# KiCad board open_jip.kicad_pcb
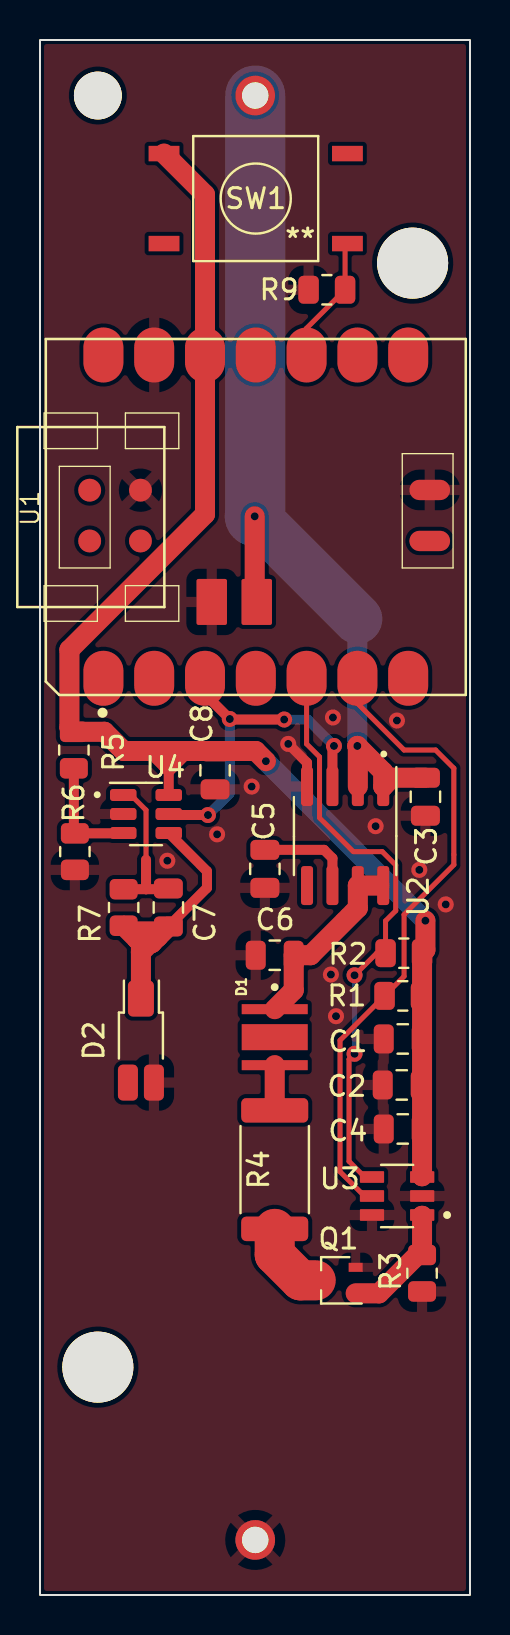
[diagram p0: board, top side]
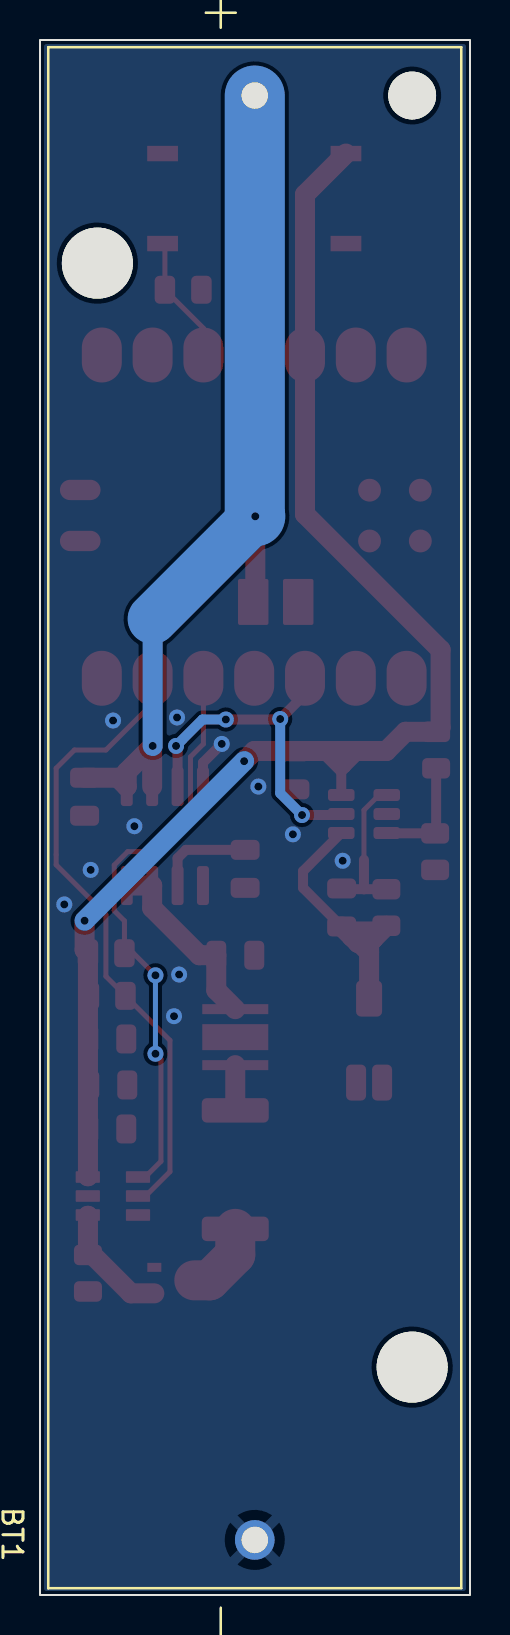
[diagram p1: board, bottom side, seen from below]

Outline 21.5 x 77.75 mm; copper layers: Top, Bottom. Coordinates in mm from the lower left corner of the outline.
Outline path: rectangle 0,77.75 21.5,0
Stack: Top 0.035mm / dielectric 1.51mm FR4 er 4.5 / Bottom 0.035mm

## Placement (name value [footprint] x y rotation side)
BT1  1043  [BAT_1043]  10.76 38.86 90 bottom
C1  10uF  [C_0805_2012Metric]  18.14 27.8 180 top
C2  1uF  [C_0805_2012Metric]  18.09 25.5 180 top
C3  4.7uF  [C_0805_2012Metric]  19.27 39.91 270 top
C4  0.1uF  [C_0805_2012Metric]  18.14 23.3 180 top
C5  0.01uF  [C_0805_2012Metric]  11.24 36.31 270 top
C6  1uF  [C_0805_2012Metric]  11.74 31.99 180 top
C7  0.1pF  [C_0805_2012Metric]  6.42 34.38 90 top
C8  0.1uF  [C_0805_2012Metric]  8.75 41.23 90 top
D1  XPEBRD-L1-0000-00901  [LED_XPEBRD-L1-0000-00901]  11.74 27.89 270 top
D2  SFH2400  [Osram_SMD-SmartDIL]  5.05 27.72 270 top
Q1  BSS214NW  [SOT-323_SC-70]  14.78 15.73 180 top
R1  4.7K  [R_0805_2012Metric]  18.14 29.96 180 top
R2  4.7K  [R_0805_2012Metric]  18.19 32.09 180 top
R3  1K  [R_0805_2012Metric]  19.1 16.09 270 top
R4  2  [R_2512_6332Metric]  11.74 21.27 270 top
R5  1M  [R_0805_2012Metric]  1.69 42.25 90 top
R6  33K  [R_0805_2012Metric]  1.74 37.17 90 top
R7  500K  [R_0805_2012Metric]  4.18 34.38 90 top
R9  1M  [R_0805_2012Metric]  14.34 65.26 180 top
SW1  -  [1977223-6]  10.79 69.82 180 top
U1  SeeeduinoXIAO  [Seeeduino XIAO-MOUDLE14P-2.54-21X17.8MM]  21.29 45 90 top
U2  MCP1727-3302xSN  [SOIC-8_3.9x4.9mm_P1.27mm]  15.26 37.95 270 top
U3  DAC5571IDBVR  [SOT95P280X145-6N]  17.85 19.95 180 top
U4  OPA355NA  [SOT-23-6]  5.3 39.05 0 top

## Library data of the parts
BT1 = -: MANUFACTURER: Keystone; MAXIMUM_PACKAGE_HEIGHT: 14.86mm; PARTREV: H; STANDARD: Manufacturer Recommendations
D1 = -: MANUFACTURER: CREE

## Footprints (pads in the part's own frame, mm; a bottom-side part is the same pattern mirrored in y, then rotated)
1977223-6
  rect 1.538x0.771 smd: 1(-4.585,2.25) 2(-4.585,-2.25) 3(4.585,-2.25) 4(4.585,2.25)
BAT_1043
  round 3.55 hole 3.55 unplated: (-27.47,-7.87) (27.73,7.87)
  round 2.39 hole 2.39 unplated: (36.11,-7.87)
  round 1.98 hole 1.32: N(-36.11,0) P(36.11,0)
C_0805_2012Metric
  rrect 1x1.45 smd: 1(-0.95,0) 2(0.95,0)
LED_XPEBRD-L1-0000-00901
  rect 0.5x3.3 smd: 1(-1.4,0) 2(1.4,0)
  rect 1.3x3.3 smd: 3(0,0)
Osram_SMD-SmartDIL
  rrect 1.8x1.3 smd: 1(-2.1,0)
  rrect 1.8x1 smd: 2(2.1,-0.65) 3(2.1,0.65)
R_0805_2012Metric
  rrect 1.025x1.4 smd: 1(-0.912,0) 2(0.912,0)
R_2512_6332Metric
  rrect 1.225x3.35 smd: 1(-2.962,0) 2(2.962,0)
Seeeduino XIAO-MOUDLE14P-2.54-21X17.8MM
  oval 2.748x1.999 smd: 1(0.833,18.118) 2(0.833,15.578) 3(0.833,13.038) 4(0.833,10.498) 5(0.833,7.958) 6(0.833,5.418) 7(0.833,2.878) 8(16.998,2.878) 9(16.998,5.418) 10(16.998,7.958) 11(16.998,10.498) 12(16.998,13.038) 13(16.998,15.578) 14(16.998,18.118)
  oval 1.016x2.032 smd: 15(7.7,1.8) 16(10.25,1.8)
  round 1.143 smd: 17(7.699,18.804) 18(10.239,18.804) 19(7.699,16.264) 20(10.239,16.264)
  rrect 2.3x1.524 smd: 21(4.65,12.7) 22(4.65,10.45)
SOIC-8_3.9x4.9mm_P1.27mm
  rrect 1.95x0.6 smd: 1(-2.475,1.905) 2(-2.475,0.635) 3(-2.475,-0.635) 4(-2.475,-1.905) 5(2.475,-1.905) 6(2.475,-0.635) 7(2.475,0.635) 8(2.475,1.905)
SOT95P280X145-6N
  rrect 1.21x0.58 smd: 1(-1.255,0.95) 2(-1.255,0) 3(-1.255,-0.95) 4(1.255,-0.95) 5(1.255,0) 6(1.255,0.95)
SOT-23-6
  rrect 1.325x0.6 smd: 1(-1.137,0.95) 2(-1.137,0) 3(-1.137,-0.95) 4(1.137,-0.95) 5(1.137,0) 6(1.137,0.95)
SOT-323_SC-70
  rect 0.7x0.45 smd: 1(-1,0.65) 2(-1,-0.65) 3(1,0)

## Nets
+3.3V: C1.1 C2.1 C4.1 C8.2 R1.1 R2.1 R5.2 SW1.3 U1.12 U3.3 U4.6
GND: BT1.N C1.2 C2.2 C3.2 C4.2 C5.2 C6.2 C8.1 D2.3 Q1.2 R3.2 R6.1 R9.2 U1.13 U1.16 U1.20 U1.21 U2.4 U3.2 U3.6 U4.2
VBUS: U1.14
D(out): U1.4
SCL: R1.2 U1.6 U3.5
SDA: R2.2 U1.5 U3.4
SHDN: U1.3 U2.3 U4.5
TRIG: R9.1 SW1.1 U1.10
Net-(BT1-PadP): BT1.P C3.1 U1.22 U2.1 U2.2
Net-(C5-Pad1): C5.1 U2.6
Net-(C6-Pad1): C6.1 D1.1 U2.7 U2.8
Net-(C7-Pad1): C7.1 D2.1 R7.1 U4.4
Net-(C7-Pad2): C7.2 R7.2 U4.1
Net-(D1-Pad2): D1.2 R4.1
Net-(Q1-Pad1): Q1.1 R3.1 U3.1
Net-(Q1-Pad3): Q1.3 R4.2
Net-(R5-Pad1): R5.1 R6.2 U4.3

Pads without a net: D1 3; D2 2; SW1 2 4; U1 1 2 7 8 9 11 15 17 18 19; U2 5

## Via types
v1: diameter 0.8, hole 0.4, Top to Bottom, 21 vias

## Routing (per net, layer and track width the routed paths; a pad name or vN(x,y) marks a point on that pad's centre or on a via; arc(x,y) is an arc through that point)
+3.3V: length 73.8
  Top w0.5: 6.21,41.38 5.39,42.2 5,42.2 ; 6.21,41.38 6.44,41.15 ; 6.21,41.38 6.77,41.95 6.77,42.2 ; 6.44,41.15 U4.6 ; 6.44,41.15 7.47,42.18 C8.2
  Top w1: 19.11,20.94 19.1,20.94 R2.1 19.27,32.26 v1(19.27,33.72) ; SW1.3 8.25,70.02 U1.12 8.25,54.04 1.47,47.26 1.47,43.38 R5.2 3.22,43.16 4.18,42.2 10.79,42.2 v1(11.29,41.69)
  Bottom w1: v1(11.29,41.69) v1(19.27,33.72)
GND: length 2.5
  Top w0.5: U2.4 13.35,41.61 v1(12.41,42.55)
  vias: v1(6.37,36.71) v1(8.86,38.03) v1(10.58,40.42) v1(14.55,31.02) v1(14.65,43.88) v1(14.8,28.94) v1(16.78,38.44) v1(17.85,43.72) v1(18.97,36.26) v1(20.29,34.53)
SCL: length 32
  Top w0.25: U1.6 15.87,44.58 18.2,42.25 19.78,42.25 20.69,41.34 20.69,36.51 18.2,34.02 18.2,30.93 R1.2 15,27.73 15,21.16 16.22,19.95 U3.5
SDA: length 29.7
  Top w0.25: v1(15.73,30.99) 16.83,32.09 R2.2 ; R2.2 17.19,32.18 ; R2.2 17.28,33.7 17.79,34.21 17.79,36.49 17.11,37.17 15.66,37.17 13.98,38.86 13.98,41.9 13.33,42.55 U1.5 ; v1(15.73,27.06) 15.45,26.79 15.45,21.68 16.24,20.9 U3.4
  Bottom w0.25: v1(15.73,27.06) v1(15.73,30.99)
SHDN: length 18
  Top w0.25: 6.05,39.05 U4.5
  Top w0.5: U2.3 14.62,42.38 v1(14.7,42.45) ; v1(8.4,39) 6.49,39 U4.5 ; U1.3 8.25,45.04 v1(9.49,43.8) 9.52,43.77 v1(12.21,43.77)
  Bottom w0.5: v1(12.21,43.77) 13.38,43.77 v1(14.7,42.45) ; v1(8.4,39) 9.49,40.09 v1(9.49,43.8)
TRIG: length 6.4
  Top w0.25: U1.10 13.33,63.34 R9.1 15.25,67.46 SW1.1
Net-(BT1-PadP): length 45.9
  Top w1: U2.2 15.89,42.43 v1(15.87,42.45) 17.16,41.16 U2.1 17.6,40.86 C3.1 ; U1.22 10.74,49.75 v1(10.74,53.93)
  Bottom w1: 15.87,48.8 v1(15.87,42.45)
  Bottom w2.5: v1(10.74,53.93) 15.87,48.8
  Bottom w3: v1(10.74,53.93) 10.76,53.96 BT1.P
Net-(C5-Pad1): length 4.9
  Top w0.5: C5.1 14.21,37.26 14.62,36.84 U2.6
Net-(C6-Pad1): length 9.5
  Top w1: 16.96,35.47 U2.7 15.89,34.35 13.53,31.99 C6.1 12.69,30.24 D1.1
Net-(C7-Pad1): length 16.1
  Top w0.5: U4.4 8.35,36.19 8.35,35.36 C7.1 4.22,33.43 R7.1
  Top w1: 4.84,32.8 4.95,32.91 5.9,32.91 ; 4.84,32.8 R7.1 ; 4.84,32.8 5.05,32.6 ; 5.05,32.6 5.59,32.6 ; 5.05,32.6 5.05,32.14 ; 5.59,32.6 5.51,32.6 5.05,32.14 ; 5.59,32.6 5.9,32.91 ; 5.9,32.91 C7.1 ; 5.05,32.14 D2.1
Net-(C7-Pad2): length 7.7
  Top w0.25: 5.3,36.76 5.3,39.24 4.55,40 U4.1
  Top w0.5: R7.2 5.3,35.29 ; 5.3,35.29 5.3,36.76 ; 5.3,35.29 6.38,35.29 C7.2
Net-(D1-Pad2): length 2.3
  Top w1: R4.1 D1.2
Net-(Q1-Pad1): length 6.1
  Top w1: 19.11,18.96 19.1,18.96 R3.1 18.87,17 16.95,15.08 Q1.1
Net-(Q1-Pad3): length 3.9
  Top w2: Q1.3 13.02,15.73 11.74,17.02 R4.2
Net-(R5-Pad1): length 5.7
  Top w0.5: U4.3 4.15,38.08 R6.2 1.69,38.13 R5.1

## Copper pours and planes (outline as drawn; the poured copper is in the pictures)
GND on Top, Bottom: 58.3,-44.52 -39.08,-35.97 -25.89,105.83 86.29,101.66
